# Allegro board 8880F5-0827_6.brd (continued)
## Routing (per net, layer and track width the routed paths; a pad name or vN(x,y) marks a point on that pad's centre or on a via; arc(x,y) is an arc through that point) (continued)
254,64.21 ; D322.A9 254,62.79 ; D322.A9 254.71,63.5 ; 400.51,396.24 D112.A9 ; D112.A9 401.32,397.05 ; D112.A9 402.13,396.24 ; D112.A9 401.32,395.43 ; 332.74,37.29 D104.B11 ; D104.B11 331.93,38.1 ; D104.B11 333.55,38.1 ; D104.B11 332.74,38.91 ; D124.A14 267.51,35.56 ; D124.A14 265.89,35.56 ; D124.A14 266.7,34.75 ; D124.A14 266.7,36.37 ; 185.42,72.85 D118.A11 ; D118.A11 184.61,73.66 ; D118.A11 186.23,73.66 ; D118.A11 185.42,74.47 ; 22.05,33.02 D128.A5 ; D128.A5 23.67,33.02 ; D128.A5 22.86,33.83 ; D128.A5 22.86,32.21 ; 25.4,80.47 D126.B6 ; D126.B6 25.4,82.09 ; D126.B6 24.59,81.28 ; D126.B6 26.21,81.28 ; D110.B12 393.7,348.79 ; D110.B12 394.51,347.98 ; D110.B12 393.7,347.17 ; D110.B12 392.89,347.98 ; 187.25,71.12 D318.B12 ; D318.B12 188.67,71.12 ; D318.B12 187.96,71.83 ; D318.B12 187.96,70.41 ; 339.55,60.96 D103.B14 ; D103.B14 341.17,60.96 ; D103.B14 340.36,61.77 ; D103.B14 340.36,60.15 ; 162.56,80.47 D118.B2 ; D118.B2 162.56,82.09 ; D118.B2 163.37,81.28 ; D118.B2 161.75,81.28 ; 193.04,80.47 D118.B14 ; D118.B14 193.85,81.28 ; D118.B14 192.23,81.28 ; D118.B14 193.04,82.09 ; 401.32,57.61 D107.B9 ; D107.B9 400.51,58.42 ; D107.B9 401.32,59.23 ; D107.B9 402.13,58.42 ; D116.A3 343.71,396.24 ; D116.A3 342.09,396.24 ; D116.A3 342.9,395.43 ; D116.A3 342.9,397.05 ; 166.93,71.12 D318.B4 ; D318.B4 167.64,70.41 ; D318.B4 167.64,71.83 ; D318.B4 168.35,71.12 ; D104.B5 318.31,38.1 ; D104.B5 317.5,37.29 ; D104.B5 317.5,38.91 ; D104.B5 316.69,38.1 ; 405.59,330.2 D109.B7 ; D109.B7 406.4,329.39 ; D109.B7 407.21,330.2 ; D109.B7 406.4,331.01 ; 106.68,72.85 D130.A9 ; D130.A9 105.87,73.66 ; D130.A9 107.49,73.66 ; D130.A9 106.68,74.47 ; 233.68,18.24 DPS3.C01 ; DPS3.C01 232.87,19.05 ; DPS3.C01 233.68,19.86 ; DPS3.C01 234.49,19.05 ; 337.01,38.1 D104.B13 ; D104.B13 337.82,37.29 ; D104.B13 337.82,38.91 ; D104.B13 338.63,38.1 ; D103.A5 317.5,54.15 ; D103.A5 317.5,52.53 ; D103.A5 316.69,53.34 ; D103.A5 318.31,53.34 ; SITE1.G18 250.71,246.43 ; SITE1.G18 250.23,246.91 ; SITE1.G18 250.23,245.95 ; SITE1.G18 249.75,246.43 ; DPS8.A11 175.26,416.1 ; DPS8.A11 174.45,415.29 ; DPS8.A11 176.07,415.29 ; DPS8.A11 175.26,414.48 ; 193.04,367.49 D231.B4 ; D231.B4 192.23,368.3 ; D231.B4 193.85,368.3 ; D231.B4 193.04,369.11 ; 386.08,52.53 D107.A3 ; D107.A3 385.27,53.34 ; D107.A3 386.89,53.34 ; D107.A3 386.08,54.15 ; 339.55,327.66 D113.B4 ; D113.B4 340.36,326.85 ; D113.B4 341.17,327.66 ; D113.B4 340.36,328.47 ; D104.A11 333.55,33.02 ; D104.A11 332.74,32.21 ; D104.A11 332.74,33.83 ; D104.A11 331.93,33.02 ; 30.48,55.07 D127.A8 ; D127.A8 31.29,55.88 ; D127.A8 30.48,56.69 ; D127.A8 29.67,55.88 ; 190.5,57.61 D119.B13 ; D119.B13 191.31,58.42 ; D119.B13 189.69,58.42 ; D119.B13 190.5,59.23 ; D124.B2 236.22,41.45 ; D124.B2 235.41,40.64 ; D124.B2 236.22,39.83 ; D124.B2 237.03,40.64 ; D104.A16 346.25,35.56 ; D104.A16 345.44,34.75 ; D104.A16 344.63,35.56 ; D104.A16 345.44,36.37 ; 314.15,347.98 D114.B14 ; D114.B14 315.77,347.98 ; D114.B14 314.96,348.79 ; D114.B14 314.96,347.17 ; 307.34,57.61 D103.B1 ; D103.B1 306.53,58.42 ; D103.B1 308.15,58.42 ; D103.B1 307.34,59.23 ; SITE2.G13 329.03,243.31 ; SITE2.G13 328.55,242.83 ; SITE2.G13 329.03,242.35 ; SITE2.G13 329.51,242.83 ; 177.8,382.73 D431.A10 ; D431.A10 176.99,383.54 ; D431.A10 178.61,383.54 ; D431.A10 177.8,384.35 ; CSDPS425.B12 247.19,342.9 ; CSDPS425.B12 246.38,343.71 ; CSDPS425.B12 246.38,342.09 ; CSDPS425.B12 245.57,342.9 ; D110.A6 408.94,353.87 ; D110.A6 408.13,353.06 ; D110.A6 408.94,352.25 ; D110.A6 409.75,353.06 ; 260.91,71.12 D322.B12 ; D322.B12 261.62,70.41 ; D322.B12 261.62,71.83 ; D322.B12 262.33,71.12 ; 254,88.19 D321.B9 ; D321.B9 254.71,88.9 ; D321.B9 253.29,88.9 ; D321.B9 254,89.61 ; D108.A14 414.02,36.37 ; D108.A14 413.21,35.56 ; D108.A14 414.02,34.75 ; D108.A14 414.83,35.56 ; D231.A8 183.69,373.38 ; D231.A8 182.07,373.38 ; D231.A8 182.88,372.57 ; D231.A8 182.88,374.19 ; 345.44,392.89 D116.A2 ; D116.A2 346.25,393.7 ; D116.A2 344.63,393.7 ; D116.A2 345.44,394.51 ; D107.A11 406.4,54.15 ; D107.A11 406.4,52.53 ; D107.A11 407.21,53.34 ; D107.A11 405.59,53.34 ; D106.B1 381.81,78.74 ; D106.B1 381,77.93 ; D106.B1 381,79.55 ; D106.B1 380.19,78.74 ; 33.02,93.17 D125.A9 ; D125.A9 32.21,93.98 ; D125.A9 33.02,94.79 ; D125.A9 33.83,93.98 ; 266.7,39.83 D124.B14 ; D124.B14 267.51,40.64 ; D124.B14 266.7,41.45 ; D124.B14 265.89,40.64 ; 405.59,33.02 D108.A11 ; D108.A11 406.4,32.21 ; D108.A11 407.21,33.02 ; D108.A11 406.4,33.83 ; 184.71,63.5 D318.A11 ; D318.A11 185.42,62.79 ; D318.A11 186.13,63.5 ; D318.A11 185.42,64.21 ; 258.27,330.2 CSDPS225.C7 ; CSDPS225.C7 259.89,330.2 ; CSDPS225.C7 259.08,329.39 ; CSDPS225.C7 259.08,331.01 ; 16.97,53.34 D127.A3 ; D127.A3 17.78,52.53 ; D127.A3 17.78,54.15 ; D127.A3 18.59,53.34 ; D305.B10 404.57,91.44 ; D305.B10 403.86,90.73 ; D305.B10 403.86,92.15 ; D305.B10 403.15,91.44 ; 391.16,52.53 D107.A5 ; D107.A5 390.35,53.34 ; D107.A5 391.16,54.15 ; D107.A5 391.97,53.34 ; D125.B3 17.78,99.87 ; D125.B3 16.97,99.06 ; D125.B3 18.59,99.06 ; D125.B3 17.78,98.25 ; 411.48,72.85 D106.A13 ; D106.A13 411.48,74.47 ; D106.A13 410.67,73.66 ; D106.A13 412.29,73.66 ; 330.33,180.85 SITE4.G3 ; SITE4.G3 329.85,181.33 ; SITE4.G3 330.33,181.81 ; SITE4.G3 330.81,181.33 ; D102.B10 330.2,82.09 ; D102.B10 329.39,81.28 ; D102.B10 330.2,80.47 ; D102.B10 331.01,81.28 ; 263.45,68.58 D322.B13 ; D322.B13 264.87,68.58 ; D322.B13 264.16,69.29 ; D322.B13 264.16,67.87 ; 385.27,335.28 D109.A15 ; D109.A15 386.89,335.28 ; D109.A15 386.08,336.09 ; D109.A15 386.08,334.47 ; 172.72,377.65 D431.B12 ; D431.B12 171.91,378.46 ; D431.B12 172.72,379.27 ; D431.B12 173.53,378.46 ; 261.62,85.65 D321.A12 ; D321.A12 262.33,86.36 ; D321.A12 260.91,86.36 ; D321.A12 261.62,87.07 ; 251.43,182.35 SITE3.G15 ; SITE3.G15 250.95,182.83 ; SITE3.G15 251.91,182.83 ; SITE3.G15 251.43,183.31 ; 317.5,32.21 D104.A5 ; D104.A5 317.5,33.83 ; D104.A5 318.31,33.02 ; D104.A5 316.69,33.02 ; 47.45,58.42 D127.B15 ; D127.B15 49.07,58.42 ; D127.B15 48.26,59.23 ; D127.B15 48.26,57.61 ; D131.A7 101.6,54.15 ; D131.A7 100.79,53.34 ; D131.A7 102.41,53.34 ; D131.A7 101.6,52.53 ; CSDPS225.C3 269.24,331.01 ; CSDPS225.C3 269.24,329.39 ; CSDPS225.C3 268.43,330.2 ; CSDPS225.C3 270.05,330.2 ; 124.46,55.07 D131.A16 ; D131.A16 123.65,55.88 ; D131.A16 125.27,55.88 ; D131.A16 124.46,56.69 ; 397.97,332.74 D109.A10 ; D109.A10 399.59,332.74 ; D109.A10 398.78,331.93 ; D109.A10 398.78,333.55 ; SITE2.G15 331.91,242.83 ; SITE2.G15 331.43,243.31 ; SITE2.G15 331.43,242.35 ; SITE2.G15 330.95,242.83 ; D107.A14 414.83,55.88 ; D107.A14 414.02,56.69 ; D107.A14 413.21,55.88 ; D107.A14 414.02,55.07 ; D306.A4 388.62,66.75 ; D306.A4 388.62,65.33 ; D306.A4 387.91,66.04 ; D306.A4 389.33,66.04 ; D103.B5 318.31,58.42 ; D103.B5 317.5,57.61 ; D103.B5 317.5,59.23 ; D103.B5 316.69,58.42 ; D322.A12 262.33,66.04 ; D322.A12 260.91,66.04 ; D322.A12 261.62,65.33 ; D322.A12 261.62,66.75 ; 245.57,35.56 D124.A6 ; D124.A6 246.38,36.37 ; D124.A6 246.38,34.75 ; D124.A6 247.19,35.56 ; D107.A13 412.29,53.34 ; D107.A13 411.48,54.15 ; D107.A13 411.48,52.53 ; D107.A13 410.67,53.34 ; 337.01,391.16 D116.B5 ; D116.B5 337.82,390.35 ; D116.B5 337.82,391.97 ; D116.B5 338.63,391.16 ; D306.B6 394.41,71.12 ; D306.B6 393.7,70.41 ; D306.B6 392.99,71.12 ; D306.B6 393.7,71.83 ; D129.B15 122.73,99.06 ; D129.B15 121.11,99.06 ; D129.B15 121.92,98.25 ; D129.B15 121.92,99.87 ; D124.B4 242.11,40.64 ; D124.B4 240.49,40.64 ; D124.B4 241.3,39.83 ; D124.B4 241.3,41.45 ; 192.33,71.12 D318.B14 ; D318.B14 193.04,71.83 ; D318.B14 193.75,71.12 ; D318.B14 193.04,70.41 ; D317.A8 178.51,86.36 ; D317.A8 177.8,87.07 ; D317.A8 177.09,86.36 ; D317.A8 177.8,85.65 ; D110.A9 401.32,356.41 ; D110.A9 402.13,355.6 ; D110.A9 400.51,355.6 ; D110.A9 401.32,354.79 ; 27.94,57.61 D127.B7 ; D127.B7 28.75,58.42 ; D127.B7 27.13,58.42 ; D127.B7 27.94,59.23 ; 408.13,388.62 D112.B6 ; D112.B6 408.94,387.81 ; D112.B6 408.94,389.43 ; D112.B6 409.75,388.62 ; SITE1.G12 253.33,248.41 ; SITE1.G12 253.33,247.45 ; SITE1.G12 253.81,247.93 ; SITE1.G12 252.85,247.93 ; 69.67,209.04 S1_I2C.4 ; S1_I2C.4 71.55,209.04 ; S1_I2C.4 70.61,209.98 ; S1_I2C.4 70.61,208.1 ; 330.95,182.83 SITE4.G15 ; SITE4.G15 331.43,182.35 ; SITE4.G15 331.91,182.83 ; SITE4.G15 331.43,183.31 ; D131.A2 89.71,55.88 ; D131.A2 88.9,56.69 ; D131.A2 88.09,55.88 ; D131.A2 88.9,55.07 ; D109.B13 391.97,330.2 ; D109.B13 391.16,329.39 ; D109.B13 391.16,331.01 ; D109.B13 390.35,330.2 ; 415.85,83.82 D305.A15 ; D305.A15 417.27,83.82 ; D305.A15 416.56,83.11 ; D305.A15 416.56,84.53 ; 337.01,335.28 D113.A5 ; D113.A5 337.82,336.09 ; D113.A5 338.63,335.28 ; D113.A5 337.82,334.47 ; 332.03,83.82 D301.A11 ; D301.A11 332.74,83.11 ; D301.A11 333.45,83.82 ; D301.A11 332.74,84.53 ; 314.15,373.38 D115.A14 ; D115.A14 314.96,374.19 ; D115.A14 315.77,373.38 ; D115.A14 314.96,372.57 ; 309.07,368.3 D115.B16 ; D115.B16 310.69,368.3 ; D115.B16 309.88,369.11 ; D115.B16 309.88,367.49 ; D306.B2 384.25,71.12 ; D306.B2 383.54,71.83 ; D306.B2 383.54,70.41 ; D306.B2 382.83,71.12 ; D321.B15 269.95,88.9 ; D321.B15 268.53,88.9 ; D321.B15 269.24,88.19 ; D321.B15 269.24,89.61 ; 180.34,52.53 D119.A9 ; D119.A9 180.34,54.15 ; D119.A9 181.15,53.34 ; D119.A9 179.53,53.34 ; 398.07,71.12 D306.B8 ; D306.B8 398.78,70.41 ; D306.B8 398.78,71.83 ; D306.B8 399.49,71.12 ; D231.B9 181.15,370.84 ; D231.B9 180.34,370.03 ; D231.B9 180.34,371.65 ; D231.B9 179.53,370.84 ; 250.33,180.85 SITE3.G3 ; SITE3.G3 250.33,181.81 ; SITE3.G3 249.85,181.33 ; SITE3.G3 250.81,181.33 ; 380.19,38.1 D108.B1 ; D108.B1 381,38.91 ; D108.B1 381.81,38.1 ; D108.B1 381,37.29 ; D113.A15 312.42,336.09 ; D113.A15 313.23,335.28 ; D113.A15 311.61,335.28 ; D113.A15 312.42,334.47 ; D127.B13 43.99,58.42 ; D127.B13 42.37,58.42 ; D127.B13 43.18,57.61 ; D127.B13 43.18,59.23 ; D231.A6 187.96,374.19 ; D231.A6 187.15,373.38 ; D231.A6 187.96,372.57 ; D231.A6 188.77,373.38 ; D129.B8 104.14,102.41 ; D129.B8 103.33,101.6 ; D129.B8 104.14,100.79 ; D129.B8 104.95,101.6 ; D306.A9 401.32,64.21 ; D306.A9 400.61,63.5 ; D306.A9 402.03,63.5 ; D306.A9 401.32,62.79 ; D115.A15 312.42,376.73 ; D115.A15 313.23,375.92 ; D115.A15 312.42,375.11 ; D115.A15 311.61,375.92 ; 325.12,75.39 D102.A8 ; D102.A8 325.12,77.01 ; D102.A8 324.31,76.2 ; D102.A8 325.93,76.2 ; CSDPS429.B16 163.37,342.9 ; CSDPS429.B16 161.75,342.9 ; CSDPS429.B16 162.56,342.09 ; CSDPS429.B16 162.56,343.71 ; UNK2U2.4 482.49,215.88 ; UNK2U2.4 482.49,214 ; UNK2U2.4 483.43,214.94 ; UNK2U2.4 481.55,214.94 ; D130.A14 119.38,77.01 ; D130.A14 119.38,75.39 ; D130.A14 118.57,76.2 ; D130.A14 120.19,76.2 ; 248.11,33.02 D124.A7 ; D124.A7 248.92,33.83 ; D124.A7 249.73,33.02 ; D124.A7 248.92,32.21 ; D322.A2 236.93,66.04 ; D322.A2 236.22,65.33 ; D322.A2 235.51,66.04 ; D322.A2 236.22,66.75 ; D109.B12 393.7,328.47 ; D109.B12 394.51,327.66 ; D109.B12 392.89,327.66 ; D109.B12 393.7,326.85 ; 193.04,85.65 D317.A14 ; D317.A14 193.75,86.36 ; D317.A14 192.33,86.36 ; D317.A14 193.04,87.07 ; 105.87,58.42 D131.B9 ; D131.B9 106.68,57.61 ; D131.B9 107.49,58.42 ; D131.B9 106.68,59.23 ; 314.96,55.07 D103.A4 ; D103.A4 314.15,55.88 ; D103.A4 315.77,55.88 ; D103.A4 314.96,56.69 ; D127.A16 50.8,56.69 ; D127.A16 49.99,55.88 ; D127.A16 51.61,55.88 ; D127.A16 50.8,55.07 ; 316.69,350.52 D114.B13 ; D114.B13 317.5,351.33 ; D114.B13 317.5,349.71 ; D114.B13 318.31,350.52 ; D109.A7 407.21,335.28 ; D109.A7 406.4,334.47 ; D109.A7 405.59,335.28 ; D109.A7 406.4,336.09 ; D115.B10 325.12,369.11 ; D115.B10 325.93,368.3 ; D115.B10 324.31,368.3 ; D115.B10 325.12,367.49 ; 320.04,85.65 D301.A6 ; D301.A6 319.33,86.36 ; D301.A6 320.04,87.07 ; D301.A6 320.75,86.36 ; 27.94,72.85 D126.A7 ; D126.A7 27.13,73.66 ; D126.A7 27.94,74.47 ; D126.A7 28.75,73.66 ; D301.A5 317.5,84.53 ; D301.A5 318.21,83.82 ; D301.A5 316.79,83.82 ; D301.A5 317.5,83.11 ; 24.59,76.2 D126.A6 ; D126.A6 26.21,76.2 ; D126.A6 25.4,75.39 ; D126.A6 25.4,77.01 ; D102.B4 315.77,81.28 ; D102.B4 314.96,80.47 ; D102.B4 314.15,81.28 ; D102.B4 314.96,82.09 ; 388.62,60.15 D107.B4 ; D107.B4 389.43,60.96 ; D107.B4 387.81,60.96 ; D107.B4 388.62,61.77 ; D128.A3 18.59,33.02 ; D128.A3 17.78,32.21 ; D128.A3 16.97,33.02 ; D128.A3 17.78,33.83 ; D107.B6 394.51,60.96 ; D107.B6 393.7,60.15 ; D107.B6 393.7,61.77 ; D107.B6 392.89,60.96 ; CSDPS229.C15 165.91,330.2 ; CSDPS229.C15 165.1,329.39 ; CSDPS229.C15 164.29,330.2 ; CSDPS229.C15 165.1,331.01 ; S3_I2C.4 83.31,209.98 ; S3_I2C.4 83.31,208.1 ; S3_I2C.4 84.25,209.04 ; S3_I2C.4 82.37,209.04 ; D122.B2 237.03,81.28 ; D122.B2 236.22,80.47 ; D122.B2 236.22,82.09 ; D122.B2 235.41,81.28 ; 419.1,90.73 D305.B16 ; D305.B16 419.1,92.15 ; D305.B16 419.81,91.44 ; D305.B16 418.39,91.44 ; 232.87,38.1 D124.B1 ; D124.B1 233.68,38.91 ; D124.B1 233.68,37.29 ; D124.B1 234.49,38.1 ; D231.A4 193.04,374.19 ; D231.A4 193.04,372.57 ; D231.A4 192.23,373.38 ; D231.A4 193.85,373.38 ; 334.47,373.38 D115.A6 ; D115.A6 335.28,372.57 ; D115.A6 336.09,373.38 ; D115.A6 335.28,374.19 ; D114.B7 333.55,350.52 ; D114.B7 331.93,350.52 ; D114.B7 332.74,351.33 ; D114.B7 332.74,349.71 ; 391.16,375.11 D111.A13 ; D111.A13 391.97,375.92 ; D111.A13 391.16,376.73 ; D111.A13 390.35,375.92 ; 406.4,83.11 D305.A11 ; D305.A11 406.4,84.53 ; D305.A11 407.11,83.82 ; D305.A11 405.69,83.82 ; 116.03,33.02 D132.A13 ; D132.A13 117.65,33.02 ; D132.A13 116.84,33.83 ; D132.A13 116.84,32.21 ; 243.03,330.2 CSDPS225.C13 ; CSDPS225.C13 243.84,329.39 ; CSDPS225.C13 244.65,330.2 ; CSDPS225.C13 243.84,331.01 ; 86.36,57.61 D131.B1 ; D131.B1 86.36,59.23 ; D131.B1 85.55,58.42 ; D131.B1 87.17,58.42 ; D112.B15 386.89,391.16 ; D112.B15 385.27,391.16 ; D112.B15 386.08,391.97 ; D112.B15 386.08,390.35 ; 238.05,88.9 D321.B3 ; D321.B3 238.76,88.19 ; D321.B3 239.47,88.9 ; D321.B3 238.76,89.61
  L30_SIGNAL w0.074: UNK2U2.4 483.43,214.94 ; UNK2U2.4 482.49,215.88 ; UNK2U2.4 481.55,214.94 ; UNK2U2.4 482.49,214 ; 164.39,88.9 D317.B3 ; D317.B3 165.1,89.61 ; D317.B3 165.81,88.9 ; D317.B3 165.1,88.19 ; 237.95,340.36 CSDPS425.C15 ; CSDPS425.C15 238.76,339.55 ; CSDPS425.C15 239.57,340.36 ; CSDPS425.C15 238.76,341.17 ; 252.15,246.43 SITE1.G20 ; SITE1.G20 252.63,246.91 ; SITE1.G20 253.11,246.43 ; SITE1.G20 252.63,245.95 ; 259.08,339.55 CSDPS425.C7 ; CSDPS425.C7 258.27,340.36 ; CSDPS425.C7 259.08,341.17 ; CSDPS425.C7 259.89,340.36 ; D116.B14 315.77,388.62 ; D116.B14 314.96,389.43 ; D116.B14 314.96,387.81 ; D116.B14 314.15,388.62 ; D301.B9 328.37,88.9 ; D301.B9 327.66,89.61 ; D301.B9 327.66,88.19 ; D301.B9 326.95,88.9 ; D124.B16 272.59,40.64 ; D124.B16 271.78,41.45 ; D124.B16 270.97,40.64 ; D124.B16 271.78,39.83 ; 330.33,187.45 SITE4.G9 ; SITE4.G9 329.85,187.93 ; SITE4.G9 330.81,187.93 ; SITE4.G9 330.33,188.41 ; 86.36,77.93 D130.B1 ; D130.B1 87.17,78.74 ; D130.B1 86.36,79.55 ; D130.B1 85.55,78.74 ; D106.B11 407.21,78.74 ; D106.B11 405.59,78.74 ; D106.B11 406.4,77.93 ; D106.B11 406.4,79.55 ; 327.66,334.47 D113.A9 ; D113.A9 328.47,335.28 ; D113.A9 326.85,335.28 ; D113.A9 327.66,336.09 ; SITE4.G11 332.81,187.93 ; SITE4.G11 332.33,188.41 ; SITE4.G11 332.33,187.45 ; SITE4.G11 331.85,187.93 ; D109.A14 389.43,332.74 ; D109.A14 387.81,332.74 ; D109.A14 388.62,333.55 ; D109.A14 388.62,331.93 ; 405.59,350.52 D110.B7 ; D110.B7 406.4,349.71 ; D110.B7 406.4,351.33 ; D110.B7 407.21,350.52 ; 25.4,75.39 D126.A6 ; D126.A6 26.21,76.2 ; D126.A6 24.59,76.2 ; D126.A6 25.4,77.01 ; D120.B2 162.56,41.45 ; D120.B2 162.56,39.83 ; D120.B2 161.75,40.64 ; D120.B2 163.37,40.64 ; 264.16,72.85 D122.A13 ; D122.A13 263.35,73.66 ; D122.A13 264.16,74.47 ; D122.A13 264.97,73.66 ; 90.63,33.02 D132.A3 ; D132.A3 92.25,33.02 ; D132.A3 91.44,32.21 ; D132.A3 91.44,33.83 ; 38.1,93.17 D125.A11 ; D125.A11 38.91,93.98 ; D125.A11 37.29,93.98 ; D125.A11 38.1,94.79 ; 321.87,68.58 D302.B7 ; D302.B7 323.29,68.58 ; D302.B7 322.58,69.29 ; D302.B7 322.58,67.87 ; 386.08,334.47 D109.A15 ; D109.A15 386.08,336.09 ; D109.A15 386.89,335.28 ; D109.A15 385.27,335.28 ; D110.A13 391.16,356.41 ; D110.A13 391.16,354.79 ; D110.A13 391.97,355.6 ; D110.A13 390.35,355.6 ; CSDPS229.C5 191.31,330.2 ; CSDPS229.C5 190.5,329.39 ; CSDPS229.C5 190.5,331.01 ; CSDPS229.C5 189.69,330.2 ; 241.3,60.15 D123.B4 ; D123.B4 242.11,60.96 ; D123.B4 241.3,61.77 ; D123.B4 240.49,60.96 ; DPS2.A11 322.58,416.1 ; DPS2.A11 322.58,414.48 ; DPS2.A11 323.39,415.29 ; DPS2.A11 321.77,415.29 ; D129.A9 107.49,93.98 ; D129.A9 106.68,93.17 ; D129.A9 105.87,93.98 ; D129.A9 106.68,94.79 ; D321.B8 252.17,91.44 ; D321.B8 250.75,91.44 ; D321.B8 251.46,90.73 ; D321.B8 251.46,92.15 ; D128.A4 20.32,36.37 ; D128.A4 21.13,35.56 ; D128.A4 19.51,35.56 ; D128.A4 20.32,34.75 ; 35.56,100.79 D125.B10 ; D125.B10 34.75,101.6 ; D125.B10 36.37,101.6 ; D125.B10 35.56,102.41 ; 88.9,75.39 D130.A2 ; D130.A2 89.71,76.2 ; D130.A2 88.9,77.01 ; D130.A2 88.09,76.2 ; CSDPS225.B2 272.59,332.74 ; CSDPS225.B2 270.97,332.74 ; CSDPS225.B2 271.78,333.55 ; CSDPS225.B2 271.78,331.93 ; 171.91,76.2 D118.A6 ; D118.A6 173.53,76.2 ; D118.A6 172.72,77.01 ; D118.A6 172.72,75.39 ; 339.65,91.44 D301.B14 ; D301.B14 340.36,90.73 ; D301.B14 341.07,91.44 ; D301.B14 340.36,92.15 ; D132.B8 104.14,41.45 ; D132.B8 104.95,40.64 ; D132.B8 104.14,39.83 ; D132.B8 103.33,40.64 ; 413.21,60.96 D107.B14 ; D107.B14 414.02,61.77 ; D107.B14 414.83,60.96 ; D107.B14 414.02,60.15 ; D110.A11 397.05,355.6 ; D110.A11 396.24,354.79 ; D110.A11 396.24,356.41 ; D110.A11 395.43,355.6 ; 327.85,241.33 SITE2.G1 ; SITE2.G1 328.33,240.85 ; SITE2.G1 328.33,241.81 ; SITE2.G1 328.81,241.33 ; D118.A16 198.93,76.2 ; D118.A16 198.12,77.01 ; D118.A16 197.31,76.2 ; D118.A16 198.12,75.39 ; 93.98,34.75 D132.A4 ; D132.A4 93.17,35.56 ; D132.A4 93.98,36.37 ; D132.A4 94.79,35.56 ; 182.88,60.15 D119.B10 ; D119.B10 183.69,60.96 ; D119.B10 182.07,60.96 ; D119.B10 182.88,61.77 ; D103.B3 312.42,59.23 ; D103.B3 311.61,58.42 ; D103.B3 313.23,58.42 ; D103.B3 312.42,57.61 ; D127.A11 38.1,54.15 ; D127.A11 37.29,53.34 ; D127.A11 38.91,53.34 ; D127.A11 38.1,52.53 ; 192.23,368.3 D231.B4 ; D231.B4 193.85,368.3 ; D231.B4 193.04,367.49 ; D231.B4 193.04,369.11 ; 249.75,246.43 SITE1.G18 ; SITE1.G18 250.71,246.43 ; SITE1.G18 250.23,246.91 ; SITE1.G18 250.23,245.95 ; 395.43,375.92 D111.A11 ; D111.A11 397.05,375.92 ; D111.A11 396.24,376.73 ; D111.A11 396.24,375.11 ; D102.A13 338.63,73.66 ; D102.A13 337.01,73.66 ; D102.A13 337.82,74.47 ; D102.A13 337.82,72.85 ; SITE4.G19 331.43,186.91 ; SITE4.G19 331.43,185.95 ; SITE4.G19 331.91,186.43 ; SITE4.G19 330.95,186.43 ; D305.A3 386.08,84.53 ; D305.A3 385.37,83.82 ; D305.A3 386.79,83.82 ; D305.A3 386.08,83.11 ; 96.52,57.61 D131.B5 ; D131.B5 95.71,58.42 ; D131.B5 97.33,58.42 ; D131.B5 96.52,59.23 ; 179.53,330.2 CSDPS229.C9 ; CSDPS229.C9 180.34,331.01 ; CSDPS229.C9 181.15,330.2 ; CSDPS229.C9 180.34,329.39 ; D122.B4 241.3,82.09 ; D122.B4 240.49,81.28 ; D122.B4 242.11,81.28 ; D122.B4 241.3,80.47 ; D306.A4 389.33,66.04 ; D306.A4 387.91,66.04 ; D306.A4 388.62,66.75 ; D306.A4 388.62,65.33 ; D104.B2 310.69,40.64 ; D104.B2 309.07,40.64 ; D104.B2 309.88,41.45 ; D104.B2 309.88,39.83 ; 331.93,370.84 D115.B7 ; D115.B7 332.74,371.65 ; D115.B7 332.74,370.03 ; D115.B7 333.55,370.84 ; 256.54,331.93 CSDPS225.B8 ; CSDPS225.B8 255.73,332.74 ; CSDPS225.B8 257.35,332.74 ; CSDPS225.B8 256.54,333.55 ; D107.B7 397.05,58.42 ; D107.B7 396.24,59.23 ; D107.B7 395.43,58.42 ; D107.B7 396.24,57.61 ; D128.B4 21.13,40.64 ; D128.B4 20.32,41.45 ; D128.B4 19.51,40.64 ; D128.B4 20.32,39.83 ; 250.85,181.33 SITE3.G4 ; SITE3.G4 251.33,181.81 ; SITE3.G4 251.33,180.85 ; SITE3.G4 251.81,181.33 ; 382.73,81.28 D106.B2 ; D106.B2 383.54,82.09 ; D106.B2 384.35,81.28 ; D106.B2 383.54,80.47 ; 109.22,75.39 D130.A10 ; D130.A10 110.03,76.2 ; D130.A10 108.41,76.2 ; D130.A10 109.22,77.01 ; 254,52.53 D123.A9 ; D123.A9 254,54.15 ; D123.A9 253.19,53.34 ; D123.A9 254.81,53.34 ; D131.B16 124.46,61.77 ; D131.B16 125.27,60.96 ; D131.B16 124.46,60.15 ; D131.B16 123.65,60.96 ; D128.B7 28.75,38.1 ; D128.B7 27.94,37.29 ; D128.B7 27.94,38.91 ; D128.B7 27.13,38.1 ; 16.97,78.74 D126.B3 ; D126.B3 17.78,77.93 ; D126.B3 17.78,79.55 ; D126.B3 18.59,78.74 ; 159.21,381 D431.B17 ; D431.B17 160.02,380.19 ; D431.B17 160.02,381.81 ; D431.B17 160.83,381 ; 328.85,181.33 SITE4.G2 ; SITE4.G2 329.33,180.85 ; SITE4.G2 329.81,181.33 ; SITE4.G2 329.33,181.81 ; D306.A3 386.79,63.5 ; D306.A3 386.08,62.79 ; D306.A3 385.37,63.5 ; D306.A3 386.08,64.21 ; 385.37,68.58 D306.B3 ; D306.B3 386.08,69.29 ; D306.B3 386.08,67.87 ; D306.B3 386.79,68.58 ; D306.B10 404.57,71.12 ; D306.B10 403.86,70.41 ; D306.B10 403.15,71.12 ; D306.B10 403.86,71.83 ; D301.A6 320.04,87.07 ; D301.A6 320.04,85.65 ; D301.A6 319.33,86.36 ; D301.A6 320.75,86.36 ; 342.9,62.79 D302.A15 ; D302.A15 342.9,64.21 ; D302.A15 343.61,63.5 ; D302.A15 342.19,63.5 ; D115.B8 330.2,369.11 ; D115.B8 329.39,368.3 ; D115.B8 330.2,367.49 ; D115.B8 331.01,368.3 ; D318.A3 165.81,63.5 ; D318.A3 165.1,64.21 ; D318.A3 165.1,62.79 ; D318.A3 164.39,63.5 ; 110.95,33.02 D132.A11 ; D132.A11 112.57,33.02 ; D132.A11 111.76,33.83 ; D132.A11 111.76,32.21 ; D129.A1 86.36,94.79 ; D129.A1 85.55,93.98 ; D129.A1 87.17,93.98 ; D129.A1 86.36,93.17 ; D110.A2 419.1,353.87 ; D110.A2 419.1,352.25 ; D110.A2 419.91,353.06 ; D110.A2 418.29,353.06 ; D132.B1 87.17,38.1 ; D132.B1 86.36,37.29 ; D132.B1 86.36,38.91 ; D132.B1 85.55,38.1 ; D317.A3 165.81,83.82 ; D317.A3 165.1,84.53 ; D317.A3 165.1,83.11 ; D317.A3 164.39,83.82 ; 388.62,387.81 D112.B14 ; D112.B14 389.43,388.62 ; D112.B14 387.81,388.62 ; D112.B14 388.62,389.43 ; D106.A1 381.81,73.66 ; D106.A1 381,74.47 ; D106.A1 380.19,73.66 ; D106.A1 381,72.85 ; D115.A3 342.9,376.73 ; D115.A3 343.71,375.92 ; D115.A3 342.09,375.92 ; D115.A3 342.9,375.11 ; 16.97,38.1 D128.B3 ; D128.B3 18.59,38.1 ; D128.B3 17.78,37.29 ; D128.B3 17.78,38.91 ; 406.4,334.47 D109.A7 ; D109.A7 407.21,335.28 ; D109.A7 406.4,336.09 ; D109.A7 405.59,335.28 ; 119.38,55.07 D131.A14 ; D131.A14 120.19,55.88 ; D131.A14 119.38,56.69 ; D131.A14 118.57,55.88 ; D301.A9 327.66,84.53 ; D301.A9 327.66,83.11 ; D301.A9 326.95,83.82 ; D301.A9 328.37,83.82 ; D321.A2 236.93,86.36 ; D321.A2 235.51,86.36 ; D321.A2 236.22,87.07 ; D321.A2 236.22,85.65 ; D431.A7 185.42,386.89 ; D431.A7 184.61,386.08 ; D431.A7 186.23,386.08 ; D431.A7 185.42,385.27 ; 166.83,35.56 D120.A4 ; D120.A4 168.45,35.56 ; D120.A4 167.64,34.75 ; D120.A4 167.64,36.37 ; 93.17,101.6 D129.B4 ; D129.B4 93.98,100.79 ; D129.B4 93.98,102.41 ; D129.B4 94.79,101.6 ; D120.A10 182.88,36.37 ; D120.A10 182.88,34.75 ; D120.A10 182.07,35.56 ; D120.A10 183.69,35.56 ; D132.B4 94.79,40.64 ; D132.B4 93.98,39.83 ; D132.B4 93.17,40.64 ; D132.B4 93.98,41.45 ; 406.4,32.21 D108.A11 ; D108.A11 406.4,33.83 ; D108.A11 405.59,33.02 ; D108.A11 407.21,33.02 ; SITE4.G13 329.03,183.31 ; SITE4.G13 328.55,182.83 ; SITE4.G13 329.51,182.83 ; SITE4.G13 329.03,182.35 ; D317.B7 175.97,88.9 ; D317.B7 175.26,88.19 ; D317.B7 175.26,89.61 ; D317.B7 174.55,88.9 ; D108.A5 391.16,33.83 ; D108.A5 391.16,32.21 ; D108.A5 390.35,33.02 ; D108.A5 391.97,33.02 ; D318.A2 162.56,66.75 ; D318.A2 162.56,65.33 ; D318.A2 163.27,66.04 ; D318.A2 161.85,66.04 ; D127.B2 16.05,60.96 ; D127.B2 14.43,60.96 ; D127.B2 15.24,60.15 ; D127.B2 15.24,61.77 ; 248.21,88.9 D321.B7 ; D321.B7 248.92,89.61 ; D321.B7 249.63,88.9 ; D321.B7 248.92,88.19 ; 390.35,38.1 D108.B5 ; D108.B5 391.16,38.91 ; D108.B5 391.97,38.1 ; D108.B5 391.16,37.29 ; CSDPS229.B12 172.72,333.55 ; CSDPS229.B12 171.91,332.74 ; CSDPS229.B12 173.53,332.74 ; CSDPS229.B12 172.72,331.93 ; D321.A10 257.25,86.36 ; D321.A10 256.54,85.65 ; D321.A10 256.54,87.07 ; D321.A10 255.83,86.36 ; DPS1.A05 391.16,14.78 ; DPS1.A05 391.97,13.97 ; DPS1.A05 390.35,13.97 ; DPS1.A05 391.16,13.16 ; D302.B5 317.5,69.29 ; D302.B5 318.21,68.58 ; D302.B5 317.5,67.87 ; D302.B5 316.79,68.58 ; D103.B9 328.47,58.42 ; D103.B9 326.85,58.42 ; D103.B9 327.66,59.23 ; D103.B9 327.66,57.61 ; D114.B13 318.31,350.52 ; D114.B13 317.5,349.71 ; D114.B13 317.5,351.33 ; D114.B13 316.69,350.52 ; 176.99,81.28 D118.B8 ; D118.B8 178.61,81.28 ; D118.B8 177.8,82.09 ; D118.B8 177.8,80.47 ; D123.B7 248.92,59.23 ; D123.B7 248.92,57.61 ; D123.B7 249.73,58.42 ; D123.B7 248.11,58.42 ; D123.A10 256.54,56.69 ; D123.A10 256.54,55.07 ; D123.A10 255.73,55.88 ; D123.A10 257.35,55.88 ; D318.A14 193.04,66.75 ; D318.A14 193.75,66.04 ; D318.A14 193.04,65.33 ; D318.A14 192.33,66.04 ; 91.44,37.29 D132.B3 ; D132.B3 92.25,38.1 ; D132.B3 90.63,38.1 ; D132.B3 91.44,38.91 ; D125.B9 33.02,99.87 ; D125.B9 33.02,98.25 ; D125.B9 33.83,99.06 ; D125.B9 32.21,99.06 ; D122.A10 257.35,76.2 ; D122.A10 255.73,76.2 ; D122.A10 256.54,75.39 ; D122.A10 256.54,77.01 ; 385.27,330.2 D109.B15 ; D109.B15 386.89,330.2 ; D109.B15 386.08,331.01 ; D109.B15 386.08,329.39 ; D305.A5 391.87,83.82 ; D305.A5 390.45,83.82 ; D305.A5 391.16,83.11 ; D305.A5 391.16,84.53 ; D109.B2 419.91,327.66 ; D109.B2 419.1,326.85 ; D109.B2 418.29,327.66 ; D109.B2 419.1,328.47 ; 410.67,396.24 D112.A5 ; D112.A5 411.48,397.05 ; D112.A5 411.48,395.43 ; D112.A5 412.29,396.24 ; 114.3,80.47 D130.B12 ; D130.B12 113.49,81.28 ; D130.B12 114.3,82.09 ; D130.B12 115.11,81.28 ; D302.A9 327.66,64.21 ; D302.A9 328.37,63.5 ; D302.A9 327.66,62.79 ; D302.A9 326.95,63.5 ; D318.A11 186.13,63.5 ; D318.A11 185.42,62.79 ; D318.A11 185.42,64.21 ; D318.A11 184.71,63.5 ; D305.B4 389.33,91.44 ; D305.B4 387.91,91.44 ; D305.B4 388.62,90.73 ; D305.B4 388.62,92.15 ; D129.A5 97.33,93.98 ; D129.A5 96.52,94.79 ; D129.A5 95.71,93.98 ; D129.A5 96.52,93.17 ; D318.B11 186.13,68.58 ; D318.B11 184.71,68.58 ; D318.B11 185.42,69.29 ; D318.B11 185.42,67.87 ; 330.33,247.45 SITE2.G9 ; SITE2.G9 330.33,248.41 ; SITE2.G9 330.81,247.93 ; SITE2.G9 329.85,247.93 ; D322.A14 266.7,66.75 ; D322.A14 266.7,65.33 ; D322.A14 267.41,66.04 ; D322.A14 265.99,66.04 ; 245.67,66.04 D322.A6 ; D322.A6 246.38,66.75 ; D322.A6 246.38,65.33 ; D322.A6 247.09,66.04 ; 419.1,80.47 D106.B16 ; D106.B16 419.91,81.28 ; D106.B16 418.29,81.28 ; D106.B16 419.1,82.09 ; 39.83,101.6 D125.B12 ; D125.B12 41.45,101.6 ; D125.B12 40.64,102.41 ; D125.B12 40.64,100.79 ; SITE2.G15 331.43,243.31 ; SITE2.G15 330.95,242.83 ; SITE2.G15 331.91,242.83 ; SITE2.G15 331.43,242.35 ; 411.48,349.71 D110.B5 ; D110.B5 411.48,351.33 ; D110.B5 412.29,350.52 ; D110.B5 410.67,350.52 ; SITE3.G18 250.23,186.91 ; SITE3.G18 249.75,186.43 ; SITE3.G18 250.23,185.95 ; SITE3.G18 250.71,186.43 ; 243.03,19.05 DPS3.C05 ; DPS3.C05 244.65,19.05 ; DPS3.C05 243.84,18.24 ; DPS3.C05 243.84,19.86 ; D113.A2 346.25,332.74 ; D113.A2 344.63,332.74 ; D113.A2 345.44,333.55 ; D113.A2 345.44,331.93 ; 175.26,409.4 DPS8.C11 ; DPS8.C11 176.07,410.21 ; DPS8.C11 175.26,411.02 ; DPS8.C11 174.45,410.21 ; 167.64,342.09 CSDPS429.B14 ; CSDPS429.B14 166.83,342.9 ; CSDPS429.B14 168.45,342.9 ; CSDPS429.B14 167.64,343.71 ; D130.A13 117.65,73.66 ; D130.A13 116.84,74.47 ; D130.A13 116.84,72.85 ; D130.A13 116.03,73.66 ; D109.B3 417.37,330.2 ; D109.B3 416.56,331.01 ; D109.B3 415.75,330.2 ; D109.B3 416.56,329.39 ; 331.93,396.24 D116.A7 ; D116.A7 332.74,395.43 ; D116.A7 332.74,397.05 ; D116.A7 333.55,396.24 ; D107.A7 397.05,53.34 ; D107.A7 395.43,53.34 ; D107.A7 396.24,54.15 ; D107.A7 396.24,52.53 ; D107.A1 381,54.15 ; D107.A1 381.81,53.34 ; D107.A1 381,52.53 ; D107.A1 380.19,53.34 ; 243.03,38.1 D124.B5 ; D124.B5 243.84,38.91 ; D124.B5 244.65,38.1 ; D124.B5 243.84,37.29 ; 256.54,34.75 D124.A10 ; D124.A10 255.73,35.56 ; D124.A10 256.54,36.37 ; D124.A10 257.35,35.56 ; D123.B11 259.08,59.23 ; D123.B11 259.08,57.61 ; D123.B11 258.27,58.42 ; D123.B11 259.89,58.42 ; 337.82,349.71 D114.B5 ; D114.B5 337.82,351.33 ; D114.B5 337.01,350.52 ; D114.B5 338.63,350.52 ; 110.95,78.74 D130.B11 ; D130.B11 111.76,79.55 ; D130.B11 111.76,77.93 ; D130.B11 112.57,78.74 ; 253.19,78.74 D122.B9 ; D122.B9 254,77.93 ; D122.B9 254.81,78.74 ; D122.B9 254,79.55 ; 331.93,330.2 D113.B7 ; D113.B7 332.74,329.39 ; D113.B7 332.74,331.01 ; D113.B7 333.55,330.2 ; 161.75,368.3 D231.B16 ; D231.B16 163.37,368.3 ; D231.B16 162.56,369.11 ; D231.B16 162.56,367.49 ; 250.85,187.93 SITE3.G10 ; SITE3.G10 251.33,187.45 ; SITE3.G10 251.81,187.93 ; SITE3.G10 251.33,188.41 ; 406.4,354.79 D110.A7 ; D110.A7 407.21,355.6 ; D110.A7 406.4,356.41 ; D110.A7 405.59,355.6 ; D119.A6 172.72,56.69 ; D119.A6 173.53,55.88 ; D119.A6 172.72,55.07 ; D119.A6 171.91,55.88 ; 344.63,55.88 D103.A16 ; D103.A16 345.44,55.07 ; D103.A16 346.25,55.88 ; D103.A16 345.44,56.69 ; D317.A13 191.21,83.82 ; D317.A13 190.5,83.11 ; D317.A13 190.5,84.53 ; D317.A13 189.79,83.82 ; 250.75,71.12 D322.B8 ; D322.B8 251.46,70.41 ; D322.B8 252.17,71.12 ; D322.B8 251.46,71.83 ; D127.B6 25.4,61.77 ; D127.B6 24.59,60.96 ; D127.B6 26.21,60.96 ; D127.B6 25.4,60.15 ; D128.A6 26.21,35.56 ; D128.A6 25.4,36.37 ; D128.A6 25.4,34.75 ; D128.A6 24.59,35.56 ; D108.B11 406.4,38.91 ; D108.B11 406.4,37.29 ; D108.B11 405.59,38.1 ; D108.B11 407.21,38.1 ; D318.A15 196.29,63.5 ; D318.A15 195.58,64.21 ; D318.A15 194.87,63.5 ; D318.A15 195.58,62.79 ; D112.B7 407.21,391.16 ; D112.B7 405.59,391.16 ; D112.B7 406.4,390.35 ; D112.B7 406.4,391.97 ; 238.76,57.61 D123.B3 ; D123.B3 239.57,58.42 ; D123.B3 238.76,59.23 ; D123.B3 237.95,58.42 ; D126.A16 50.8,77.01 ; D126.A16 51.61,76.2 ; D126.A16 50.8,75.39 ; D126.A16 49.99,76.2 ; 252.85,241.33 SITE1.G6 ; SITE1.G6 253.33,240.85 ; SITE1.G6 253.81,241.33 ; SITE1.G6 253.33,241.81 ; 406.4,62.79 D306.A11 ; D306.A11 406.4,64.21 ; D306.A11 405.69,63.5 ; D306.A11 407.11,63.5 ; 321.77,375.92 D115.A11 ; D115.A11 323.39,375.92 ; D115.A11 322.58,376.73 ; D115.A11 322.58,375.11 ; 98.25,35.56 D132.A6 ; D132.A6 99.06,36.37 ; D132.A6 99.87,35.56 ; D132.A6 99.06,34.75 ; 182.17,66.04 D318.A10 ; D318.A10 182.88,66.75 ; D318.A10 183.59,66.04 ; D318.A10 182.88,65.33 ; 243.13,63.5 D322.A5 ; D322.A5 244.55,63.5 ; D322.A5 243.84,62.79 ; D322.A5 243.84,64.21 ; D107.A10 404.67,55.88 ; D107.A10 403.86,55.07 ; D107.A10 403.05,55.88 ; D107.A10 403.86,56.69 ; D114.B6 335.28,348.79 ; D114.B6 335.28,347.17 ; D114.B6 334.47,347.98 ; D114.B6 336.09,347.98 ; D113.A3 342.9,336.09 ; D113.A3 342.09,335.28 ; D113.A3 343.71,335.28 ; D113.A3 342.9,334.47 ; D302.A1 308.05,63.5 ; D302.A1 307.34,64.21 ; D302.A1 306.63,63.5 ; D302.A1 307.34,62.79 ; 175.26,72.85 D118.A7 ; D118.A7 175.26,74.47 ; D118.A7 174.45,73.66 ; D118.A7 176.07,73.66 ; D126.B10 36.37,81.28 ; D126.B10 34.75,81.28 ; D126.B10 35.56,82.09 ; D126.B10 35.56,80.47 ; D305.B10 404.57,91.44 ; D305.B10 403.86,92.15 ; D305.B10 403.86,90.73 ; D305.B10 403.15,91.44 ; 342.09,396.24 D116.A3 ; D116.A3 342.9,397.05 ; D116.A3 343.71,396.24 ; D116.A3 342.9,395.43 ; D120.B16 198.93,40.64 ; D120.B16 198.12,39.83 ; D120.B16 197.31,40.64 ; D120.B16 198.12,41.45 ; D114.B8 330.2,348.79 ; D114.B8 331.01,347.98 ; D114.B8 329.39,347.98 ; D114.B8 330.2,347.17 ; D116.A4 341.17,393.7 ; D116.A4 340.36,394.51 ; D116.A4 340.36,392.89 ; D116.A4 339.55,393.7 ; 198.12,70.41 D318.B16 ; D318.B16 198.12,71.83 ; D318.B16 197.41,71.12 ; D318.B16 198.83,71.12 ; D116.A15 312.42,397.05 ; D116.A15 312.42,395.43 ; D116.A15 311.61,396.24 ; D116.A15 313.23,396.24 ; D120.A7 175.26,33.83 ; D120.A7 174.45,33.02 ; D120.A7 176.07,33.02 ; D120.A7 175.26,32.21 ; 261.62,75.39 D122.A12 ; D122.A12 260.81,76.2 ; D122.A12 261.62,77.01 ; D122.A12 262.43,76.2 ; 172.72,80.47 D118.B6 ; D118.B6 171.91,81.28 ; D118.B6 173.53,81.28 ; D118.B6 172.72,82.09 ; D301.A3 312.42,84.53 ; D301.A3 312.42,83.11 ; D301.A3 311.71,83.82 ; D301.A3 313.13,83.82 ; D321.A4 242.01,86.36 ; D321.A4 241.3,85.65 ; D321.A4 241.3,87.07 ; D321.A4 240.59,86.36 ; D119.A1 160.02,54.15 ; D119.A1 159.21,53.34 ; D119.A1 160.02,52.53 ; D119.A1 160.83,53.34 ; D123.A12 262.43,55.88 ; D123.A12 261.62,55.07 ; D123.A12 260.81,55.88 ; D123.A12 261.62,56.69 ; 192.23,342.9 CSDPS429.B4 ; CSDPS429.B4 193.85,342.9 ; CSDPS429.B4 193.04,342.09 ; CSDPS429.B4 193.04,343.71 ; 240.59,91.44 D321.B4 ; D321.B4 242.01,91.44 ; D321.B4 241.3,90.73 ; D321.B4 241.3,92.15 ; D112.B9 401.32,391.97 ; D112.B9 400.51,391.16 ; D112.B9 401.32,390.35 ; D112.B9 402.13,391.16 ; 248.92,32.21 D124.A7 ; D124.A7 248.11,33.02 ; D124.A7 249.73,33.02 ; D124.A7 248.92,33.83 ; D125.A12 40.64,97.33 ; D125.A12 40.64,95.71 ; D125.A12 39.83,96.52 ; D125.A12 41.45,96.52 ; D108.A8 399.59,35.56 ; D108.A8 398.78,36.37 ; D108.A8 397.97,35.56 ; D108.A8 398.78,34.75 ; 238.76,52.53 D123.A3 ; D123.A3 237.95,53.34 ; D123.A3 239.57,53.34 ; D123.A3 238.76,54.15 ; 254,62.79 D322.A9 ; D322.A9 253.29,63.5 ; D322.A9 254,64.21 ; D322.A9 254.71,63.5 ; D123.A5 243.84,54.15 ; D123.A5 243.84,52.53 ; D123.A5 244.65,53.34 ; D123.A5 243.03,53.34 ; D130.A12 114.3,77.01 ; D130.A12 114.3,75.39 ; D130.A12 115.11,76.2 ; D130.A12 113.49,76.2 ; 337.01,53.34 D103.A13 ; D103.A13 338.63,53.34 ; D103.A13 337.82,52.53 ; D103.A13 337.82,54.15 ; D116.A1 347.98,397.05 ; D116.A1 347.98,395.43 ; D116.A1 347.17,396.24 ; D116.A1 348.79,396.24 ; 179.53,340.36 CSDPS429.C9 ; CSDPS429.C9 180.34,339.55 ; CSDPS429.C9 181.15,340.36 ; CSDPS429.C9 180.34,341.17 ; 325.12,372.57 D115.A10 ; D115.A10 324.31,373.38 ; D115.A10 325.93,373.38 ; D115.A10 325.12,374.19 ; 171.91,383.54 D431.A12 ; D431.A12 172.72,382.73 ; D431.A12 173.53,383.54 ; D431.A12 172.72,384.35 ; 50.8,95.71 D125.A16 ; D125.A16 51.61,96.52 ; D125.A16 50.8,97.33 ; D125.A16 49.99,96.52 ; CSDPS225.B12 246.38,333.55 ; CSDPS225.B12 247.19,332.74 ; CSDPS225.B12 246.38,331.93 ; CSDPS225.B12 245.57,332.74 ; 418.29,76.2 D106.A16 ; D106.A16 419.91,76.2 ; D106.A16 419.1,77.01 ; D106.A16 419.1,75.39 ; D321.A8 252.17,86.36 ; D321.A8 251.46,85.65 ; D321.A8 250.75,86.36 ; D321.A8 251.46,87.07 ; 88.9,95.71 D129.A2 ; D129.A2 89.71,96.52 ; D129.A2 88.9,97.33 ; D129.A2 88.09,96.52 ; D130.B16 124.46,82.09 ; D130.B16 125.27,81.28 ; D130.B16 123.65,81.28 ; D130.B16 124.46,80.47 ; D318.B3 165.81,68.58 ; D318.B3 165.1,67.87 ; D318.B3 165.1,69.29 ; D318.B3 164.39,68.58 ; 192.33,71.12 D318.B14 ; D318.B14 193.04,70.41 ; D318.B14 193.04,71.83 ; D318.B14 193.75,71.12 ; D431.B16 162.56,379.27 ; D431.B16 162.56,377.65 ; D431.B16 163.37,378.46 ; D431.B16 161.75,378.46 ; D305.B9 401.32,89.61 ; D305.B9 401.32,88.19 